# Altium PCB PCB.PcbDoc (continued)
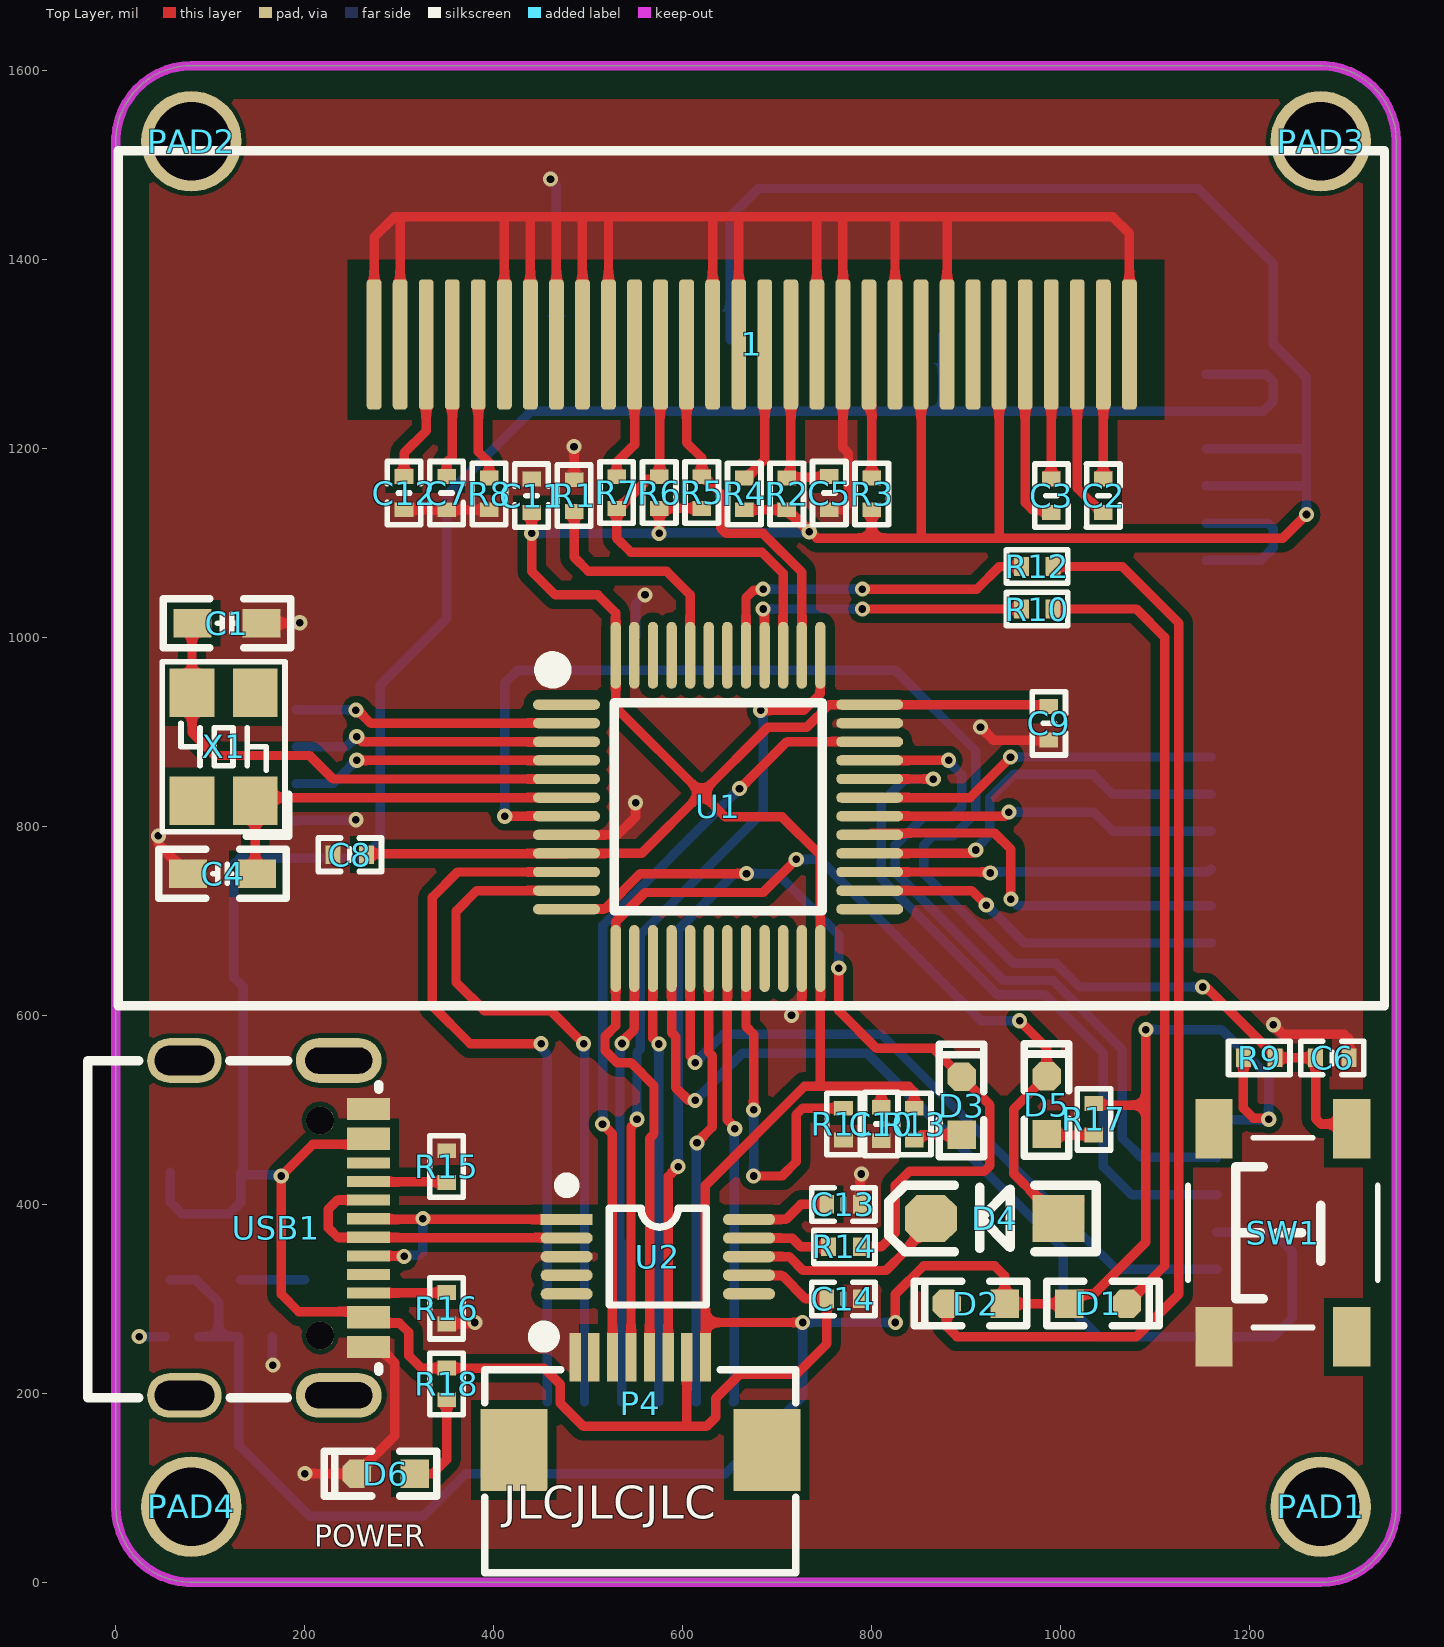
[diagram p0: Top Layer view]
## Footprints (in the part's own frame and the unit in brackets; to place one, negate y for a bottom-side part, rotate by r counter-clockwise, add the part's x,y. Pads: shape width x height; smd on the part's side, far side on the other; paste and mask are expansions set on the pad) (continued)
  rrect50% 0.4x3.5 smd: 1(-10.16,-6.858) 2(-9.46,-6.858) 3(-8.76,-6.858) 4(-8.06,-6.858) 5(-7.36,-6.858) 6(-6.66,-6.858) 7(-5.96,-6.858) 8(-5.26,-6.858) 9(-4.56,-6.858) 10(-3.86,-6.858) 11(-3.16,-6.858) 12(-2.46,-6.858) 13(-1.76,-6.858) 14(-1.06,-6.858) 15(-0.36,-6.858) 16(0.34,-6.858) 17(1.04,-6.858) 18(1.74,-6.858) 19(2.44,-6.858) 20(3.14,-6.858) 21(3.84,-6.858) 22(4.54,-6.858) 23(5.24,-6.858) 24(5.94,-6.858) 25(6.64,-6.858) 26(7.34,-6.858) 27(8.04,-6.858) 28(8.74,-6.858) 29(9.44,-6.858) 30(10.14,-6.858)
  silkscreen extent -17.02,-12.07 17.02,10.92, body extent -17,-14.29 17,11.07, height 4.6
"OSC 4025-4P" [mm] "4*2.5*0.7mm(长宽高)"
  rect 1.3x1.2 smd: 1(-1.45,-0.85) 2(1.45,-0.85) 3(1.45,0.85) 4(-1.45,0.85)
  silkscreen extent -2.41,-1.75 2.29,1.65, body extent -2,-1.25 2,1.25, height 0.75
R0402_L [mm] "1/16W贴片电阻"
  rect 0.4x0.5 smd: 1(-0.425,0) 2(0.425,0)
  silkscreen extent -0.82,-0.45 0.82,0.45, body extent -0.5,-0.25 0.5,0.25, height 0.3
"SH 1.0-LS-5P" [mm]
  rect 1.4x1.8 smd: 0(-3.3,-1.8) 0(3.3,-1.8)
  rect 0.6x1.9 smd: 1(-2,1.8) 2(-1,1.8) 3(0,1.8) 4(1,1.8) 5(2,1.8)
  silkscreen extent -3.4,-2.54 3.4,1.6, body extent -3.5,-2.54 3.5,2.41, height 2.9
"SH 1.0-WS-6P" [mm]
  rect 1.4x1.8 smd: 0(-3.8,-1.8) 0(3.8,-1.8)
  rect 0.6x1.9 smd: 1(-2.5,1.8) 2(-1.5,1.8) 3(-0.5,1.8) 4(0.5,1.8) 5(1.5,1.8) 6(2.5,1.8)
  silkscreen extent -3.9,-2.67 3.9,1.6, body extent -4,-2.73 4,2.22, height 2.9
SOD-123 [mil] "2.7x1.6X1.1mm（长宽高，不包括引脚）"
  rect 55x50 smd: 1(-67.5,0)
  oct 55x50 smd: 2(67.5,0)
  silkscreen extent -108,-35 112,35, body extent -73,-31 73,31, height 48
SOT23-5 [mm]
  rrect50% 0.889x0.6 smd: 1(-1.5,0.95) 2(-1.5,0) 3(-1.5,-0.95) 4(1.396,-0.95) 5(1.396,0.95)
  silkscreen extent -0.2,-1.55 0.9,1.55, body extent -1.48,-1.45 1.32,1.45, height 1.2
"TEST 1.6" [mm] "测试点1.6mm"
  round 1.6 smd paste-1.6: 1(0,0)
  silkscreen extent -1.02,-1.02 1.01,1.02
"TSW SMD-4*4*1.5" [mm] "轻触开关，长宽高：4*4*1.5mm"
  rect 1.6x1 smd: 1(-2.8,1.85) 2(-2.8,-1.85) 3(2.8,-1.85) 4(2.8,1.85)
  silkscreen extent -2.55,-2.55 2.55,2.55, body extent -2.95,-2.6 3.45,2.6, height 1.5
USB-C-SMD_16P [mm] "封装库来自淘宝ID:黄晶宝石"
  oval 1.2x2.3 hole 0.7 slot 1.8 at 90 deg: 0(-4.5,-1.675) 0(4.5,-1.675)
  oval 1.2x2 hole 0.8 slot 1.6 at 90 deg: 0(-4.5,2.475) 0(4.5,2.475)
  rect 0.3x1.15 smd: A1(3.35,-2.473) A4(2.55,-2.471) A5(1.25,-2.475) A6(0.25,-2.475) A7(-0.25,-2.473) A9(-2.55,-2.475) A12(-3.35,-2.475) B1(-3.05,-2.475) B4(-2.25,-2.475) B5(-1.75,-2.475) B6(-0.75,-2.475) B7(0.75,-2.473) B9(2.25,-2.471) B12(3.05,-2.473)
  rect 0.3x1.148 smd: A8(1.75,-2.475) B8(-1.25,-2.475)
  round 0.75 hole 0.75 unplated: ""(-2.89,-1.175) ""(2.89,-1.175)
  silkscreen extent -4.56,-2.75 4.5,5.08, body extent -4.44,-2.87 4.5,5.03, height 3.25

## Part data
1: "显示屏"
C1 C4 C6 C8 C9 C10 C11: library part C, "贴片电容", BOM名称=无极性贴片电容, 联系卖家，免费查找封装=唯一出售店铺网址https://shop463601444.taobao.com
C2 C3 C5 C7 C12 C15 C16 C17: library part 电容-0402, "Capacitor"
C13 C14: library part C, "无极性贴片电容", BOM名称=无极性贴片电容, 学习资源=www.ooocke.com, 版权归属=源创客
D1 D2 D3 D5 D6: "发光二极管"
  D1 D2: 封装库来自淘宝卖家 ID：黄晶宝石=其他店铺购入均为假冒，请立即申请退款，本店奖励现金5~20元
  D3 D5 D6: LatestRevisionDate=08-Jul-2005, LatestRevisionNote="Mech Layer 1 removed.", PackageReference=LED-0, Published=8-Jun-2000, Publisher="Altium Limited"
D4: library part M7, "整流二极管", BOM名称=整流二极管, 学习资源=www.ooocke.com, 版权归属=源创客
P1 P2 P5 P6: library part "Header 6", "Header, 6-Pin", LatestRevisionDate=17-Jul-2002, LatestRevisionNote="Re-released for DXP Platform.", Publisher="Altium Limited"
P3: library part "Header 5", "Header, 5-Pin", LatestRevisionDate=17-Jul-2002, LatestRevisionNote="Re-released for DXP Platform.", Publisher="Altium Limited"
P4: library part "Header 8", "Header, 8-Pin", LatestRevisionDate=17-Jul-2002, LatestRevisionNote="Re-released for DXP Platform.", Publisher="Altium Limited"
PAD1 PAD2 PAD3 PAD4: library part M3, "铜柱孔", BOM名称=铜柱孔, 联系卖家，免费查找封装=唯一出售店铺网址https://shop463601444.taobao.com
R1 R9 R10 R11 R12: library part R, "贴片电阻", BOM名称=贴片电阻, 封装库来自淘宝卖家ID：黄晶宝石=其他店铺购入均为盗版假冒封装库，请立即申请退款, 联系卖家，免费查找封装=唯一出售店铺网址https://shop463601444.taobao.com
R2 R3 R4 R5 R6 R7 R8 R13 R14 R15 R16 R17 R18: library part 电阻-0402, "Resistor"
SW1: library part "TSW SMD-6x6", "贴片6x6轻触开关", BOM名称=贴片6x6轻触开关, 学习资源=www.ooocke.com, 版权归属=源创客
TP1 TP2 TP3: "测试点", BOM名称=测试点, 联系卖家，免费查找封装=唯一出售店铺网址https://shop463601444.taobao.com
U2: BOM_JLCPCB Part Class="Extended Part", BOM_Manufacturer=WCH, BOM_Manufacturer Part=CH340E, BOM_Supplier=LCSC, BOM_Supplier Part=C99652, spicePre=U, spiceSymbolName=CH340E, subpart_no=1
U3: library part LP2992, "LDO"
USB1: library part USB-Type-C-TOP
X1: library part XTAL-2P, "2脚无源脚晶振", BOM名称=2脚无源脚晶振, 联系卖家，免费查找封装=唯一出售店铺网址https://shop463601444.taobao.com

## Via types
v1: diameter 16, hole 8, Top Layer to Bottom Layer, 62 vias

## Nets (pads, with @x,y where several pads share a name; then routed paths per layer and width w, separated by ;. In a path a pad name is that pad's centre, name@x,y a point inside that pad or via, vN(x,y) a via of type N, cw(c..) or ccw(c..) an arc to the next point about the centre after c; other vN are vias at no path point)
+3.3V: 1.6 1.9 C8.1 C9.1 C10.1 C11.1 C15.2 C16.2 D1.1 D2.1 P4.8 P5.3 P5.4 P6.1 R2.2 R3.1 R4.2 R5.1 R6.1 R9.2 R13.1 R17.1 TP2.1 U1.9 U1.24 U1.36 U1.48 U3.5 | length 6974.6
  Top Layer w10: C8.1 266.64,771.2 476.68,771.2 U1.9 556.39,771.39 620,835 ; C11.1 v1(440,1110) 440,1070 465,1045 510,1045 528.86,1026.14 528.86,981.25 U1.48 529.05,925.95 620,835 ; v1(575,1110) R6.1 R5.1 ; P4.8 623.9,275 ; R4.2 R2.2 ; v1(726.76,274.95) 726.72,275 623.9,275 ; v1(733.78,1111.79) 733.21,1111.79 R2.2 ; R3.1 800,1105 ; C10.1 810,520 805,525 ; v1(825,275) 825,305 855,335 930,335 940.59,324.41 D2.1 D1.1 1018.82,305 1035,305 1090,360 1090,505 ; R13.1 845,519.14 839.14,525 805,525 ; 1.9 852.09,1107.91 855,1105 ; 1.6 934.76,1105.24 935,1105 ; C9.1 985.37,928.68 797.96,928.68 U1.36 797.58,928.68 754.9,928.68 730.91,904.7 689.7,904.7 620,835 ; R17.1 1036.73,505 1090,505 ; v1(1090,585) 1090,505 ; R9.2 1193.27,501.73 1203.85,491.15 1218.85,491.15 v1(1220,490) ; v1(1260,1130) 1235,1105 935,1105 ; 620,835 645,810 705,810 745.59,769.41 U1.24 745.59,525.59 745,525 ; 623.9,275 623.9,420.11 728.79,525 745,525 ; R2.2 711.97,1135 741.97,1105 800,1105 ; 745,525 805,525 ; 800,1105 855,1105 ; 855,1105 935,1105
  Bottom Layer w10: U3.5 84.94,320.06 108.86,296.14 108.86,260 ; C16.2 108.86,260 ; v1(440,1110) v1(575,1110) 575.9,1110.9 732.88,1110.9 v1(733.78,1111.79) ; TP2.1 650,1445 680,1475 1145,1475 1225,1395 1225,1310 1260,1275 1260,1200 ; v1(726.76,274.95) 726.76,196.76 645,115 370,115 325,70 205,70 130,145 C15.2 108.86,260 ; v1(726.76,274.95) v1(825,275) ; v1(1090,585) 1170,585 1220,535 v1(1220,490) 1219.37,489.37 1165.63,489.37 P6.1 ; P5.4 1259.68,1160.31 1260,1160 ; P5.3 1259.68,1199.69 1260,1200 ; v1(1260,1130) 1260,1160 ; 1260,1160 1260,1200
+5V: C14.1 P3.1 P4.7 P5.1 P5.2 R18.1 TP1.1 U2.7 U3.1 U3.3 USB1.A4 USB1.A9 USB1.B4 USB1.B9 | length 3349.6
  Top Layer w10: USB1.A4 USB1.B9 208.58,463.58 v1(175,430) 175,305 193.58,286.42 USB1.B4 USB1.A9 300,274.61 310,264.61 310,240 323.27,226.73 R18.1 453.27,226.73 470.2,209.8 470.2,189.8 495,165 605,165 ; P4.7 604.21,165.79 605,165 ; U2.7 670.38,324.62 705.38,324.62 730,300 C14.1 752.28,252.28 720,220 660,220 635,195 635,175 625,165 605,165
  Bottom Layer w10: U3.1 57.6,402.4 70,390 120,390 132.4,402.4 U3.3 U3.3@135,431.46 ; v1(175,430) 173.85,431.15 135.31,431.15 U3.3@135,431.46 ; TP1.1 875,1239.06 ; P5.1 1216.57,1278.43 1225,1270 1225,1250 1214.05,1239.06 P5.2 875,1239.06 ; U3.3@135,431.46 135,630 125,640 125,760 131.26,766.26 P3.1 261.26,766.26 280,785 280,950 350,1020 350,1150 439.05,1239.06 875,1239.06
BKIN: P1.1 U1.19 | length 473.2
  Top Layer w10: U1.19 647.16,489.46 655,481.62 v1(655,480)
  Bottom Layer w10: P1.1 654.21,191.65 654.21,479.21 v1(655,480)
BS1: 1.11 R3.2 | length 142.8
  Top Layer w10: 1.11 796.97,1248.98 800,1245.94 R3.2
D+: U2.1 USB1.A6 USB1.B6 | length 304.8
  Top Layer w10: USB1.B6 304.53,345.47 v1(305,345) ; USB1.A6 286.3,384.84 287.08,384.06 U2.1
  Bottom Layer w10: v1(305,345) 306.15,346.15 321.15,346.15 325,350 v1(325,385)
D-: U2.2 USB1.A7 USB1.B7 | length 322.8
  Top Layer w10: USB1.B7 234.53,404.53 225,395 225,375 234.84,365.16 USB1.A7 267.78,364.75 476.7,364.75 U2.2
DEBUG_RX: D4.1 D5.2 P4.5 U1.13 | length 1310.4
  Top Layer w10: P4.5 564.84,469.84 569.53,474.53 569.53,525.47 545,550 530.41,550 517.66,562.75 517.66,577.66 529.05,589.05 U1.13 529.25,660.35 529.25,699.25 560,730 685,730 v1(720,765) ; v1(956.39,594.31) 985,565.71 D5.2 950,500.6 950,432.5 975,407.5 975,405 995,385 D4.1 1000,385 D4.1@1020,405
  Bottom Layer w10: v1(720,765) 745,765 915.69,594.31 v1(956.39,594.31)
DEBUG_TX: D3.2 P4.6 R14.1 U1.12 | length 1431.7
  Top Layer w10: U1.12 477.06,712.53 517.53,712.53 555,750 v1(667.39,750) ; P4.6 584.53,429.53 v1(595,440) ; v1(765,650) 765,605 805,565 865,565 D3.2 925,505 925,440.86 919.14,435 840,435 825,420 825,370 810,355 R14.1
  Bottom Layer w10: v1(595,440) 595,690.16 654.84,750 v1(667.39,750) 700,750 765,685 v1(765,650)
Encode1: P6.4 U1.16 | length 1140.7
  Top Layer w10: U1.16 588.11,581.72 592.68,577.14 592.68,523.17 605.86,510 v1(613,510)
  Bottom Layer w10: v1(613,510) 663,560 795,560 1002.5,352.5 1002.5,297.5 1040,260 1225,260 1245,280 1245,350 1224.37,370.63 P6.4
Encode2: P6.5 U1.17 | length 779.8
  Top Layer w10: U1.17 607.79,556.83 613,551.62 v1(613,550)
  Bottom Layer w10: v1(613,550) 643,580 810,580 1058.74,331.26 P6.5
GND: 1.1 1.8 1.10 1.12 1.13 1.16 1.17 1.21 1.22 1.23 1.24 1.25 1.29 1.30 C1.1 C4.1 C5.1 C6.1 C7.2 C8.2 C9.2 C10.2 C11.2 C12.2 C13.1 C14.2 C15.1 C16.1 C17.1 D6.2 P3.2 P4.1 P5.5 P5.6 P6.6 R1.2 R8.1 R11.1 R15.1 R16.1 SW1.1 TP3.1 U1.8 U1.23 U1.35 U1.47 U2.3 U3.2 USB1.A1 USB1.A12 USB1.B1 USB1.B12 | length 4244.9
  Top Layer w10: v1(45,790) 45,781.31 C4.1 ; C1.1 194.24,1015.06 v1(194.65,1015.47) ; v1(200,115) D6.2 295,155 295,232.28 284.17,243.11 USB1.A12 USB1.B1 ; 1.30 273.35,1423.35 295,1445 305,1445 ; 1.29 300.91,1440.91 305,1445 ; C12.2 C7.2 R8.1 ; R16.1 350.87,274.13 379.13,274.13 v1(380,275) ; 1.25 411.14,1443.86 410,1445 ; 1.24 438.7,1443.7 440,1445 ; 1.23 466.26,1443.74 465,1445 ; U1.8 531.08,791.08 550,810 v1(550,825) ; v1(484.88,1201.85) 485,1201.73 R1.2 ; 1.22 493.82,1443.82 495,1445 ; 1.21 521.38,1443.62 520,1445 ; 1.17 631.61,1443.39 630,1445 ; 1.16 659.17,1444.17 660,1445 ; v1(715,600) 725.9,610.9 U1.23 ; 1.13 741.85,1443.15 740,1445 ; C5.1 769.14,1135 775,1140.86 775,1195 769.41,1200.59 1.12 769.41,1444.41 770,1445 ; C13.1 787.72,430.84 v1(789.01,432.13) ; 1.10 824.53,1444.53 825,1445 ; 1.8 879.65,1444.65 880,1445 ; v1(915,905) 928.72,891.28 C9.2 ; 1.1 1072.56,1427.44 1055,1445 880,1445 ; v1(1225,590) 1235,580 1300,580 1305,575 C6.1 ; 305,1445 410,1445 ; 410,1445 440,1445 ; 440,1445 465,1445 ; 465,1445 495,1445 ; 495,1445 520,1445 ; 520,1445 630,1445 ; 630,1445 660,1445 ; 660,1445 740,1445 ; 740,1445 770,1445 ; 770,1445 825,1445 ; 825,1445 880,1445
  Bottom Layer w10: v1(24.82,260.08) 24.91,260 C16.1 ; C15.1 165.43,230.71 v1(166.22,229.91) ; P3.2 191.55,806.32 253.37,806.32 v1(254.06,807.01) ; v1(460,1485) 466.26,1478.74 TP3.1 ; 550,1000 550,1035 v1(560,1045) ; P5.6 1211.57,1081.57 1225,1095 1225,1115 1219.05,1120.94 P5.5
HALL_A: P3.5 U1.2 | length 292
  Top Layer w10: v1(254.06,923.09) 255.68,923.09 269.58,909.19 U1.2
  Bottom Layer w10: P3.5 191.19,923.41 253.73,923.41 v1(254.06,923.09)
HALL_B: P3.4 U1.3 | length 292.9
  Top Layer w10: v1(255,895) 260.5,889.5 U1.3
  Bottom Layer w10: P3.4 191.09,884.14 243.69,884.14 254.54,895 v1(255,895)
HALL_C: P3.3 U1.4 | length 296.4
  Top Layer w10: v1(255,870) 255.09,869.91 476.78,869.91 U1.4
  Bottom Layer w10: P3.3 191.21,845.35 230,845.35 254.65,870 v1(255,870)
IBIS: P1.2 U1.18 | length 477.8
  Top Layer w10: v1(615,465) 615,465.53 631,481.53 631,557.46 627.48,560.98 U1.18
  Bottom Layer w10: P1.2 614.05,464.05 v1(615,465)
ICIV: P1.3 U1.15 | length 471.9
  Top Layer w10: U1.15 568.42,575.95 v1(574.68,569.68)
  Bottom Layer w10: P1.3 v1(574.68,569.68)
KEY1: P6.2 U1.33 | length 774.5
  Top Layer w10: U1.33 881.12,869.82 v1(881.27,869.97)
  Bottom Layer w10: v1(881.27,869.97) 881.27,868.35 895,854.62 895,820 885,810 855,810 825,780 825,751.21 939.32,636.89 991.89,636.89 1065,563.79 1065,470 1085,450 1164.37,450 P6.2
KEY2: P6.3 U1.32 | length 776.7
  Top Layer w10: U1.32 864.87,850.13 v1(865,850)
  Bottom Layer w10: v1(865,850) 835,850 810,825 810,745 933.11,621.89 983.11,621.89 1045,560 1045,440 1075,410 P6.3
LED0: R10.2 U1.40 | length 322.8
  Top Layer w10: v1(685,1030) 686.53,1028.47 U1.40 ; v1(790,1030) R10.2
  Bottom Layer w10: v1(685,1030) v1(790,1030)
LED1: R12.2 U1.41 | length 367.4
  Top Layer w10: U1.41 666.85,1041.85 674.85,1049.85 683.85,1049.85 v1(685,1051) ; v1(790,1051) 911,1051 935,1075 R12.2
  Bottom Layer w10: v1(685,1051) 789,1051 790,1050 v1(790,1051)
MCU_UH: P2.1 U1.31 | length 381.8
  Top Layer w10: U1.31 904.11,830.45 946.8,873.13 v1(946.8,873.28)
  Bottom Layer w10: v1(946.8,873.28) 946.8,875.17 948.54,873.43 P2.1
MCU_UL: P2.2 U1.28 | length 428.1
  Top Layer w10: U1.28 906.39,771.39 v1(910,775)
  Bottom Layer w10: v1(910,775) 910,776.62 925,791.62 925,830 950,855 1034.05,855 1055,834.05 P2.2
MCU_VH: P2.3 U1.30 | length 371.5
  Top Layer w10: U1.30 940.76,810.76 v1(945,815)
  Bottom Layer w10: v1(945,815) 1035,815 1055.16,794.84 1158.98,794.84 P2.3
MCU_VL: P2.4 U1.27 | length 363.7
  Top Layer w10: U1.27 924.34,751.71 v1(925.4,750.65)
  Bottom Layer w10: v1(925.4,750.65) 926.55,751.79 1155.61,751.79 P2.4
MCU_WH: P2.5 U1.29 | length 425
  Top Layer w10: U1.29 799.69,793 930,793 947.16,775.84 v1(947.16,723.08)
  Bottom Layer w10: v1(947.16,723.08) 954.3,715.95 P2.5
MCU_WL: P2.6 U1.26 | length 384.3
  Top Layer w10: U1.26 905.72,732.02 v1(921.05,716.7)
  Bottom Layer w10: v1(921.05,716.7) 961.17,676.57 P2.6
Net1_2: 1.2 C2.1 | length 142.3
  Top Layer w10: C2.1 1.2
Net1_3: 1.3 C2.2 | length 190.3
  Top Layer w10: 1.3 1017.44,1157.87 1043.03,1132.29 C2.2
Net1_4: 1.4 C3.1 | length 142.3
  Top Layer w10: 1.4 989.94,1309.94 989.94,1167.78 C3.1
Net1_5: 1.5 C3.2 | length 199.3
  Top Layer w10: 1.5 962.32,1142.68 970,1135 987.28,1135 C3.2
Net1_15: 1.15 R4.1 | length 151.7
  Top Layer w10: R4.1 666.97,1168.46 686.73,1188.23 1.15
Net1_20: 1.20 R7.1 | length 149.8
  Top Layer w10: R7.1@531.97,1170 R7.1 530,1185 548.94,1203.94 1.20
Net1_26: 1.26 R8.2 | length 146.3
  Top Layer w10: 1.26 383.58,1196.42 395,1185 R8.2
Net1_27: 1.27 C7.1 | length 143.5
  Top Layer w10: C7.1@350.51,1170.94 C7.1 350,1185 356.02,1191.02 1.27 1.27@355.51,1309.49
Net1_28: 1.28 C12.1 | length 149.3
  Top Layer w10: C12.1 305,1195 328.46,1218.46 1.28
NetC13_2: C13.2 U2.10 | length 88.9
  Top Layer w10: U2.10 709.06,384.06 725,400 C13.2
NetC17_2: C17.2 U3.4 | length 67.6
  Bottom Layer w10: U3.4@132.43,320.03 C17.2
NetD1_2: D1.2 R10.1 | length 852.3
  Top Layer w10: R10.1 1080,1030 1110,1000 1110,335 D1.2
NetD2_2: D2.2 R12.1 | length 1161.1
  Top Layer w10: D2.2 879.41,270.59 890,260 1080,260 1125,305 1125,1015 1065,1075 R12.1
NetD3_1: D3.1 R13.2 | length 52.3
  Top Layer w10: R13.2 846.97,468.27 852.52,473.82 D3.1
NetD4_2: D4.2 U2.8 | length 260.9
  Top Layer w10: 705,345 670.32,345 U2.8 712.56,344.68 727.24,330 815,330 834.79,349.79 834.79,351.5 862.5,379.22 D4.2
NetD5_1: D5.1 R17.2 | length 50.5
  Top Layer w10: D5.1 986.14,473.27 R17.2
NetD6_1: D6.1 R18.2 | length 103.3
  Top Layer w10: D6.1 335,115 350,130 R18.2
NetR1_1: R1.1 U1.44 | length 251.6
  Top Layer w10: R1.1 485,1085 500,1070 582.79,1070 607.79,1045 U1.44
NetR11_2: R11.2 U1.20 | length 387.5
  Top Layer w10: U1.20 666.85,588.15 675,580 v1(675,500) ; v1(675,430) 705,430 720,445 720,495 726.73,501.73 R11.2
  Bottom Layer w10: v1(675,430) v1(675,500)
NetR14_2: R14.2 U2.9 | length 88.1
  Top Layer w10: U2.9 715.63,364.37 725,355 R14.2
NetR15_2: R15.2 USB1.A5 | length 82.9
  Top Layer w10: USB1.A5 267.92,423.74 349.53,423.74 R15.2
NetR16_2: R16.2 USB1.B5 | length 82.8
  Top Layer w10: USB1.B5 267.75,306.42 349.69,306.42 R16.2
OLED_RST: 1.14 C5.2 R2.1 | length 187.2
  Top Layer w10: R2.1 710.98,1169.45 R2.1@712.4,1169.45 ; 1.14 714.29,1171.34 R2.1@712.4,1169.45 ; C5.2 754.02,1169.45 R2.1@712.4,1169.45
OLED_SCL: 1.18 R5.2 U1.38 | length 403.5
  Top Layer w10: 1.18 604.06,1205.94 620,1190 R5.2 621.97,1170 640,1151.97 640,1115.86 645.86,1110 685,1110 725.9,1069.1 U1.38
OLED_SDA: 1.19 R6.2 R7.2 U1.39 | length 509.3
  Top Layer w10: 1.19 575.75,1309.25 575.75,1170.75 R6.2 572.13,1167.13 562.56,1167.13 531.97,1136.54 R7.2 530,1105 545,1090 683.79,1090 706.22,1067.57 U1.39
OSCIN: C1.2 U1.5 X1.3 | length 532.5
  Top Layer w10: C1.2 80.6,1014.56 X1.3 80.6,899.4 105,875 205,875 229.87,850.13 U1.5
OSCOUT: C4.2 U1.6 X1.1 | length 408.8
  Top Layer w10: C4.2 147.53,751.79 X1.1 150.82,830.45 U1.6
RESET: C6.2 R9.1 SW1.3 U1.7 | length 1513.8
  Top Layer w10: v1(411.58,810.76) U1.7 ; v1(1150,630) 1153.7,630 1226.73,556.97 R9.1 C6.2 1269.57,490.86 1275.43,485 1303.07,485 SW1.3
  Bottom Layer w10: v1(411.58,810.76) 411.58,951.58 425,965 825,965 910,880 910,813.79 886.21,790 865,790 855,780 855,750 950,655 995,655 1020,630 v1(1150,630)
SWDCLK: P4.4 U1.37 | length 854.7
  Top Layer w10: P4.4 545.16,482.01 551.53,488.38 v1(551.53,490) ; v1(682.27,922.73) 727.73,922.73 745.4,940.4 745.4,980.86 U1.37
  Bottom Layer w10: v1(551.53,490) 551.53,560.62 555,564.09 555,685 685,815 685,920 v1(682.27,922.73)
SWIO: P4.3 U1.34 | length 824.5
  Top Layer w10: v1(515,485) 525.47,474.53 P4.3 ; v1(660,840) 660.61,840 710.3,889.7 797.58,889.7 U1.34
  Bottom Layer w10: v1(515,485) 515.39,485.39 515.39,695.39 v1(660,840)
U_ADC: P1.6 U1.10 | length 779.9
  Top Layer w10: v1(450,570) 375,570 335,610 335,725 361.71,751.71 U1.10
  Bottom Layer w10: v1@447.5,567.5 456.57,558.43 P1.6
V_ADC: P1.5 U1.11 | length 742.4
  Top Layer w10: U1.11 382.02,732.02 360,710 360,635 390,605 460,605 v1(495,570)
  Bottom Layer w10: v1(495,570) 495.95,569.05 P1.5
W_ADC: P1.4 U1.14 | length 476.3
  Top Layer w10: v1(535.66,570.21) 535.66,572 548.74,585.08 U1.14
  Bottom Layer w10: P1.4 535.32,359.47 533.53,361.26 533.53,566.45 535.66,568.58 v1(535.66,570.21)
pads on no net: 1.7 P1.0 P2.0 P3.0 P4.0 P4.2 P5.0 P6.0 PAD1.1 PAD2.1 PAD3.1 PAD4.1 SW1.2 SW1.4 U1.1 U1.21 U1.22 U1.25 U1.42 U1.43 U1.45 U1.46 U2.4 U2.5 U2.6 USB1. USB1.0 USB1.A8 USB1.B8 X1.2 X1.4

## Polygon pours and split planes (outlines as drawn)
GND on Bottom Layer "GND_L02_P000" (solid, remove dead copper, pour order 0): -30,1655 -30,-40 50,-120 1360,-120 1485,5 1485,1645 1405,1725
GND on Top Layer "GND_L01_P001" (solid, remove dead copper, pour order 1): -90,1610 -50,1570 -50,-55 1315,-55 1425,55 1400,80 1400,1655

## Keep-outs
Keep-Out Layer:
  lines w10: 0,1520.3 0,80 ccw(c80,80) 84.7,0.14 ; 0.14,1520.3 cw(c80,1525) 80,1605 1270.3,1605 ; 84.7,0 1275,0 ccw(c1275,80) 1354.86,84.7 ; 1270.3,1604.86 cw(c1275,1525) 1355,1525 1355,84.7

## Other copper
Multi-Layer:
  pour cut-out: 245,1400 1110,1400 1110,1230 245,1230

## Silkscreen, mask and mechanical layers (free items; w line width, h text height)
Top Overlay:
  text "JLCJLCJLC" at 409.88,55.62 h60
  text "POWER" at 210,30 h40
Bottom Overlay:
  text "GND" at 535,1375 h40
  text "+5V" at 946.09,1374.26 h40
  text "3.3v" at 728.11,1373.32 h40
  text "+5V" at 1100,1240 h40
  text "3.3v" at 1100,1160 h40
  text "STM32_Core" at 858.36,1140 h60
  text "Extension interface" at 858.36,1080 h50
  text "GND" at 1100,1080 h40
  text "HAA" at 398.12,924.3 h50
  text "UH" at 1100,895 h40
  text "HAB" at 398.12,879.3 h50
  text "UL" at 1100,840 h40
  text "HAC" at 398.12,834.3 h50
  text "GND" at 398.12,790 h50
  text "VH" at 1100,785 h40
  text "+5V" at 398.12,745 h50
  text "VL" at 1100,730 h40
  text "WH" at 1100,675 h40
  text "WL" at 1100,620 h40
  text "3.3V" at 1100,515 h40
  text "KEY1" at 1100,460 h40
  text "KEY2" at 1100,405 h40
  text "En1" at 1100.19,350 h40
  text "En2" at 1100.19,295 h40
  text "U ADC" at 390,245 h40 r270
  text "V ADC" at 445,245 h40 r270
  text "W ADC" at 500,245 h40 r270
  text "ICIV" at 555,245 h40 r270
  text "IBIS" at 610,245 h40 r270
  text "BKIN" at 665,245 h40 r270
  text "GND" at 1100.19,240 h40
Top Solder:
  lines w10: 780,110 780,210
  text "STM32_Core" at 805,165.61 h60
  text "Extension interface" at 805,115.52 h50
Mechanical 1:
  lines w10: 80,1605 ccw(c80,1525) 0.14,1520.3 0,1520.3 0,80 ccw(c80,80) 84.7,0.14 84.7,0 1275,0 ; 80,1605 1270.3,1605 1270.3,1604.86 cw(c1275,1525) 1355,1525 1355,84.7 1354.86,84.7 cw(c1275,80) 1275,0 ; 80,1605 80,1605 ; 1275,0 1275,0
Drill Drawing:
  circle w10: c80.62,2652.27 r33.33
  lines w10: 47.29,2168.94 113.96,2168.94 113.96,2235.61 47.29,2235.61 47.29,2168.94 ; 47.29,2318.94 80.62,2335.61 113.96,2318.94 97.29,2352.27 113.96,2385.61 80.62,2368.94 47.29,2385.61 63.96,2352.27 47.29,2318.94 ; 47.29,2535.61 113.96,2535.61 80.62,2468.94 47.29,2535.61 ; 47.29,2785.61 63.96,2785.61 80.62,2768.94 97.29,2785.61 113.96,2785.61 97.29,2802.27 113.96,2818.94 97.29,2818.94 80.62,2835.61 63.96,2818.94 47.29,2818.94 63.96,2802.27 47.29,2785.61
  lines w15: -12.5,2123.94 12915.88,2123.94 ; -12.5,2873.94 12915.88,2873.94 ; 538.38,1973.94 538.38,3023.94 ; 1078.24,1973.94 1078.24,3023.94 ; 2177.92,1973.94 2177.92,3023.94 ; 2683.79,1973.94 2683.79,3023.94 ; 3417.59,1973.94 3417.59,3023.94 ; 4917.14,1973.94 4917.14,3023.94 ; 5506.99,1973.94 5506.99,3023.94 ; 6252.79,1973.94 6252.79,3023.94 ; 6902.62,1973.94 6902.62,3023.94 ; 7756.38,1973.94 7756.38,3023.94 ; 9089.99,1973.94 9089.99,3023.94 ; 10423.6,1973.94 10423.6,3023.94 ; 11513.28,1973.94 11513.28,3023.94 ; -12.5,1973.94 12915.88,1973.94 12915.88,3023.94 -12.5,3023.94 -12.5,1973.94
  text "Symbol" at 77.5,2918.94 h72
  text "Count" at 583.38,2918.94 h72
  text "Hole Size" at 1123.24,2918.94 h72
  text "Plated" at 2222.92,2918.94 h72
  text "Hole Type" at 2728.79,2918.94 h72
  text "Drill Layer Pair" at 3462.59,2918.94 h72
  text "Via/Pad" at 4962.14,2918.94 h72
  text "Pad Shape" at 5551.99,2918.94 h72
  text "Template" at 6297.79,2918.94 h72
  text "Description" at 6947.62,2918.94 h72
  text "Hole Tolerance (+)" at 7801.38,2918.94 h72
  text "Hole Tolerance (-)" at 9134.99,2918.94 h72
  text "Hole Length" at 10468.6,2918.94 h72
  text "Routed Path Length" at 11558.28,2918.94 h72
  text "2" at 583.38,2768.94 h60
  text "27.56mil (0.700mm)" at 1123.24,2768.94 h60
  text "PTH" at 2222.92,2768.94 h60
  text "Slot" at 2728.79,2768.94 h60
  text "Top Layer - Bottom Layer" at 3462.59,2768.94 h60
  text "Pad" at 4962.14,2768.94 h60
  text "Rounded" at 5551.99,2768.94 h60
  text "(Mixed)" at 6297.79,2768.94 h60
  text "70.87mil (1.800mm)" at 10468.6,2768.94 h60
  text "43.31mil (1.100mm)" at 11558.28,2768.94 h60
  text "2" at 583.38,2618.94 h60
  text "29.53mil (0.750mm)" at 1123.24,2618.94 h60
  text "NPTH" at 2222.92,2618.94 h60
  text "Round" at 2728.79,2618.94 h60
  text "Top Layer - Bottom Layer" at 3462.59,2618.94 h60
  text "Pad" at 4962.14,2618.94 h60
  text "Rounded" at 5551.99,2618.94 h60
  text "c75hn75" at 6297.79,2618.94 h60
  text "-" at 10468.6,2618.94 h60
  text "-" at 11558.28,2618.94 h60
  text "2" at 583.38,2468.94 h60
  text "31.50mil (0.800mm)" at 1123.24,2468.94 h60
  text "PTH" at 2222.92,2468.94 h60
  text "Slot" at 2728.79,2468.94 h60
  text "Top Layer - Bottom Layer" at 3462.59,2468.94 h60
  text "Pad" at 4962.14,2468.94 h60
  text "Rounded" at 5551.99,2468.94 h60
  text "(Mixed)" at 6297.79,2468.94 h60
  text "62.99mil (1.600mm)" at 10468.6,2468.94 h60
  text "31.50mil (0.800mm)" at 11558.28,2468.94 h60
  text "4" at 583.38,2318.94 h60
  text "82.68mil (2.100mm)" at 1123.24,2318.94 h60
  text "PTH" at 2222.92,2318.94 h60
  text "Round" at 2728.79,2318.94 h60
  text "Top Layer - Bottom Layer" at 3462.59,2318.94 h60
  text "Pad" at 4962.14,2318.94 h60
  text "Rounded" at 5551.99,2318.94 h60
  text "c270h210" at 6297.79,2318.94 h60
  text "-" at 10468.6,2318.94 h60
  text "-" at 11558.28,2318.94 h60
  text "62" at 583.38,2168.94 h60
  text "8.00mil (0.203mm)" at 1123.24,2168.94 h60
  text "PTH" at 2222.92,2168.94 h60
  text "Round" at 2728.79,2168.94 h60
  text "Top Layer - Bottom Layer" at 3462.59,2168.94 h60
  text "Via" at 4962.14,2168.94 h60
  text "Rounded" at 5551.99,2168.94 h60
  text "v41h20" at 6297.79,2168.94 h60
  text "-" at 10468.6,2168.94 h60
  text "-" at 11558.28,2168.94 h60
  text "72 Total" at 583.38,2018.94 h60
  text "Slot definitions :" at 77.5,1873.97 h60
  text "Routed Path Length" at 1110.19,1873.97 h60
  text "= Calculated from tool start centre position to tool end centre position." at 2212.86,1873.97 h60
  text "Hole Length" at 1110.19,1773.99 h60
  text "= Routed Path Length + Tool Size = Slot length as defined in the PCB layout" at 1802.99,1773.99 h60

## Dimensions
0,0 to 1355,-15 on Mechanical 1
0,0 to -5,1605 on Mechanical 1

## Text inside footprints (layer, text, board x,y; h text height)
P1: Bottom Overlay "1" at 695,205 h30
P2: Bottom Overlay "1" at 1145,915 h30 r90
P3: Bottom Overlay "1" at 195,720 h30 r270
P5: Bottom Overlay "1" at 1140,1320 h30 r90
P6: Bottom Overlay "1" at 1150.86,530.32 h30 r90